# KiCad board keyboard_mk1.kicad_pcb (continued)
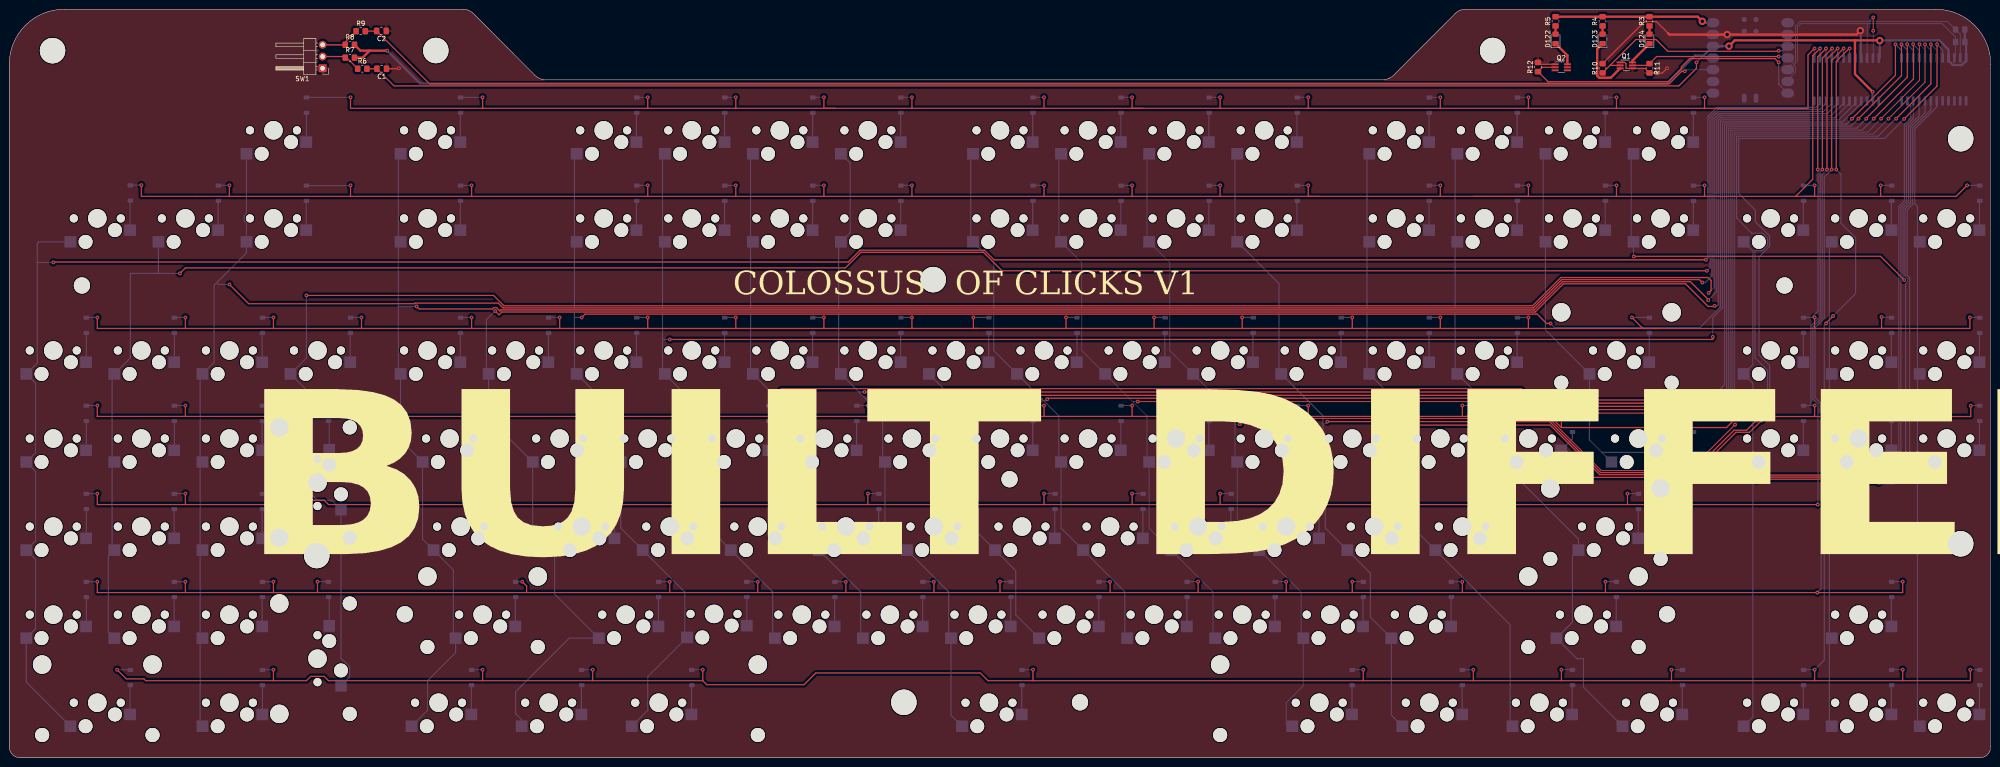
[diagram p0: board, top side]
## Routing (per net, layer and track width the routed paths; a pad name or vN(x,y) marks a point on that pad's centre or on a via; arc(x,y) is an arc through that point) (continued)
ROW6: length 607.6
  Top w0.25: 316.71,16.67 335.76,16.67 ; 316.71,16.67 292.89,16.67 ; 316.71,16.67 v1(316.71,19.05) ; 335.76,16.67 v1(335.76,19.05) ; 335.76,16.67 359.57,16.67 ; v1(424.21,19.05) 424.21,16.67 409.57,16.67 ; v1(221.46,19.05) 221.46,16.67 ; 221.46,16.67 292.89,16.67 ; 221.46,16.67 211.7,16.67 210.03,18.35 174.47,18.35 171.93,15.81 150.88,15.81 150.02,16.67 ; 292.89,16.67 v1(292.89,19.05) ; v1(150.02,19.05) 150.02,16.67 ; 150.02,16.67 126.21,16.67 ; v1(395.21,127.25) 395.21,150.65 398.01,153.45 v1(398.11,153.45) ; 57.15,16.67 64.29,16.67 65.23,17.6 68.12,17.6 69.06,16.67 102.39,16.67 ; 57.15,16.67 v1(57.15,19.05) ; 57.15,16.67 29.53,16.67 29.12,17.08 25.31,17.08 v1(23.34,19.05) ; v1(393,93.95) 393,94.04 v1(394.51,95.55) ; v1(409.57,19.05) 409.57,16.67 ; 409.57,16.67 390.52,16.67 ; 359.57,16.67 390.52,16.67 ; 359.57,16.67 v1(359.57,19.05) ; 390.52,16.67 v1(390.52,19.05) ; 126.21,16.67 v1(126.21,19.05) ; 126.21,16.67 102.39,16.67 ; 102.39,16.67 v1(102.39,19.05)
  Bottom w0.25: 147.64,19.05 v1(150.02,19.05) ; U3.19 398.07,153.41 v1(398.11,153.45) ; 290.51,19.05 v1(292.89,19.05) ; 388.14,19.05 v1(390.52,19.05) 392.61,21.13 392.61,93.56 v1(393,93.95) ; 407.19,19.05 v1(409.57,19.05) ; 54.77,19.05 v1(57.15,19.05) ; 219.07,19.05 v1(221.46,19.05) ; 314.32,19.05 v1(316.71,19.05) ; 100.01,19.05 v1(102.39,19.05) ; v1(395.21,127.25) 396.22,126.24 396.22,115.64 399.38,112.47 399.38,100.43 v1(394.51,95.55) ; 26.19,19.05 v1(23.34,19.05) ; 426.24,19.05 v1(424.21,19.05) ; 361.95,19.05 v1(359.57,19.05) ; 338.14,19.05 v1(335.76,19.05) ; 123.82,19.05 v1(126.21,19.05)
Net-(D1-A): length 6.4
  Bottom w0.25: D1.2 26.13,120.47 K1.1
Net-(D2-A): length 6.4
  Bottom w0.25: D2.2 45.18,120.42 K2.1
Net-(D3-A): length 6.3
  Bottom w0.25: K4.1 64.29,133.25 64.29,139.47
Net-(D4-A): length 6.4
  Bottom w0.25: D4.2 64.23,120.42 K3.1
Net-(D5-A): length 6.3
  Bottom w0.25: K22.1 16.67,85.62 16.67,91.85
Net-(D6-A): length 6.3
  Bottom w0.25: K43.1 16.67,66.58 16.67,72.8
Net-(D7-A): length 6.3
  Bottom w0.25: K64.1 16.67,47.52 16.67,53.75
Net-(D8-A): length 6.3
  Bottom w0.25: 16.67,34.7 16.67,28.47 K85.1
Net-(D9-A): length 6.3
  Bottom w0.25: 2K106.1 26.13,15.59 26.19,15.65
Net-(D10-A): length 6.3
  Bottom w0.25: 35.72,34.7 35.66,34.64 K86.1
Net-(D11-A): length 6.3
  Bottom w0.25: 35.72,53.75 35.66,53.69 K65.1
Net-(D12-A): length 6.3
  Bottom w0.25: K44.1 35.72,66.58 35.72,72.8
Net-(D13-A): length 6.4
  Bottom w0.25: D13.2 35.72,85.62 K23.1
Net-(D14-A): length 6.3
  Bottom w0.25: 54.77,91.85 54.71,91.79 K24.1
Net-(D15-A): length 6.3
  Bottom w0.25: K45.1 54.71,72.74 54.77,72.8
Net-(D16-A): length 6.3
  Bottom w0.25: 54.77,53.75 54.71,53.69 K66.1
Net-(D17-A): length 6.3
  Bottom w0.25: K87.1 54.71,34.64 54.77,34.7
Net-(D18-A): length 6.3
  Bottom w0.25: K108.1 54.77,9.43 54.77,15.65
Net-(D19-A): length 6.2
  Bottom w0.25: 2K88.1 69.21,34.54 69.06,34.7
Net-(D20-A): length 6.2
  Bottom w0.25: 69.06,72.8 69.21,72.64 2K46.1
Net-(D21-A): length 6.3
  Bottom w0.25: K25.1 73.76,91.79 73.82,91.85
Net-(D22-A): length 6.4
  Bottom w0.25: D22.2 97.57,139.47 K67.1
Net-(D23-A): length 6.3
  Bottom w0.25: K107.1 97.57,120.37 97.63,120.42
Net-(D24-A): length 6.3
  Bottom w0.25: K47.1 97.57,91.79 97.63,91.85
Net-(D25-A): length 6.3
  Bottom w0.25: 102.39,72.8 102.33,72.74 15K68.1
Net-(D26-A): length 6.3
  Bottom w0.25: 175K89.1 104.72,53.69 104.77,53.75
Net-(D27-A): length 6.3
  Bottom w0.25: 225K110.1 109.48,34.64 109.54,34.7
Net-(D28-A): length 6.3
  Bottom w0.25: 125K82.1 99.95,15.59 100.01,15.65
Net-(D29-A): length 6.3
  Bottom w0.25: K5.1 135.67,139.42 135.73,139.47
Net-(D30-A): length 6.3
  Bottom w0.25: 135.73,120.42 135.67,120.37 K26.1
Net-(D31-A): length 6.3
  Bottom w0.25: K48.1 116.62,91.79 116.68,91.85
Net-(D32-A): length 6.3
  Bottom w0.25: K69.1 126.15,72.74 126.21,72.8
Net-(D33-A): length 6.3
  Bottom w0.25: 130.97,53.75 130.91,53.69 K90.1
Net-(D34-A): length 6.3
  Bottom w0.25: 140.49,34.7 140.43,34.64 K111.1
Net-(D35-A): length 6.3
  Bottom w0.25: 123.82,15.65 123.77,15.59 125K83.1
Net-(D36-A): length 6.3
  Bottom w0.25: 147.64,15.65 147.58,15.59 125K84.1
Net-(D37-A): length 6.1
  Bottom w0.25: K112.1 159.54,34.7
Net-(D38-A): length 6.3
  Bottom w0.25: K91.1 149.96,53.69 150.02,53.75
Net-(D39-A): length 6.3
  Bottom w0.25: K70.1 145.2,72.74 145.26,72.8
Net-(D40-A): length 6.3
  Bottom w0.25: 135.73,91.85 135.67,91.79 K49.1
Net-(D41-A): length 6.3
  Bottom w0.25: K27.1 154.72,120.37 154.78,120.42
Net-(D42-A): length 6.3
  Bottom w0.25: K6.1 154.72,139.42 154.78,139.47
Net-(D43-A): length 6.3
  Bottom w0.25: K7.1 173.77,139.42 173.83,139.47
Net-(D44-A): length 6.3
  Bottom w0.25: 173.83,120.42 173.77,120.37 K28.1
Net-(D45-A): length 6.3
  Bottom w0.25: K50.1 154.72,91.79 154.78,91.85
Net-(D46-A): length 6.3
  Bottom w0.25: K71.1 164.25,72.74 164.31,72.8
Net-(D47-A): length 6.3
  Bottom w0.25: 169.07,53.75 169.01,53.69 K92.1
Net-(D48-A): length 6.3
  Bottom w0.25: 178.59,34.7 178.53,34.64 K113.1
Net-(D49-A): length 6.3
  Bottom w0.25: K114.1 197.58,34.64 197.64,34.7
Net-(D50-A): length 6.3
  Bottom w0.25: 188.12,53.75 188.06,53.69 K93.1
Net-(D51-A): length 6.3
  Bottom w0.25: K72.1 183.3,72.74 183.36,72.8
Net-(D52-A): length 6.3
  Bottom w0.25: K51.1 173.77,91.79 173.83,91.85
Net-(D53-A): length 6.3
  Bottom w0.25: K29.1 192.82,120.37 192.88,120.42
Net-(D54-A): length 6.3
  Bottom w0.25: 192.88,139.47 192.82,139.42 K8.1
Net-(D55-A): length 6.3
  Bottom w0.25: K9.1 221.4,139.42 221.46,139.47
Net-(D56-A): length 6.3
  Bottom w0.25: K30.1 221.4,120.37 221.46,120.42
Net-(D57-A): length 6.3
  Bottom w0.25: 192.88,91.85 192.82,91.79 K52.1
Net-(D58-A): length 6.3
  Bottom w0.25: 202.41,72.8 202.35,72.74 K73.1
Net-(D59-A): length 6.3
  Bottom w0.25: K94.1 207.11,53.69 207.17,53.75
Net-(D60-A): length 6.3
  Bottom w0.25: 216.69,34.7 216.63,34.64 K115.1
Net-(D61-A): length 6.3
  Bottom w0.25: 219.07,15.65 219.02,15.59 625K109.1
Net-(D62-A): length 6.3
  Bottom w0.25: 235.74,34.7 235.68,34.64 K116.1
Net-(D63-A): length 6.3
  Bottom w0.25: K95.1 226.16,53.69 226.22,53.75
Net-(D64-A): length 6.3
  Bottom w0.25: 221.46,72.8 221.4,72.74 K74.1
Net-(D65-A): length 6.3
  Bottom w0.25: K53.1 211.87,91.79 211.93,91.85
Net-(D66-A): length 6.3
  Bottom w0.25: K10.1 240.45,139.42 240.51,139.47
Net-(D67-A): length 6.3
  Bottom w0.25: 240.51,120.42 240.45,120.37 K31.1
Net-(D68-A): length 6.3
  Bottom w0.25: 230.98,91.85 230.98,85.62 K54.1
Net-(D69-A): length 6.3
  Bottom w0.25: 240.51,72.8 240.45,72.74 K75.1
Net-(D70-A): length 6.3
  Bottom w0.25: K96.1 245.21,53.69 245.27,53.75
Net-(D71-A): length 6.3
  Bottom w0.25: 254.79,34.7 254.74,34.64 K117.1
Net-(D72-A): length 6.3
  Bottom w0.25: K118.1 273.78,34.64 273.84,34.7
Net-(D73-A): length 6.3
  Bottom w0.25: 264.32,53.75 264.26,53.69 K97.1
Net-(D74-A): length 6.3
  Bottom w0.25: K76.1 259.5,72.74 259.56,72.8
Net-(D75-A): length 6.3
  Bottom w0.25: 250.03,91.85 249.97,91.79 K55.1
Net-(D76-A): length 6.3
  Bottom w0.25: K32.1 259.5,120.37 259.56,120.42
Net-(D77-A): length 6.3
  Bottom w0.25: 259.56,139.47 259.5,139.42 K11.1
Net-(D78-A): length 6.3
  Bottom w0.25: 278.61,139.47 278.55,139.42 K12.1
Net-(D79-A): length 6.3
  Bottom w0.25: 278.61,120.42 278.55,120.37 K33.1
Net-(D80-A): length 6.3
  Bottom w0.25: K56.1 269.02,91.79 269.08,91.85
Net-(D81-A): length 6.3
  Bottom w0.25: K77.1 278.55,72.74 278.61,72.8
Net-(D82-A): length 6.3
  Bottom w0.25: 283.37,53.75 283.31,53.69 K98.1
Net-(D83-A): length 6.3
  Bottom w0.25: 292.89,34.7 292.83,34.64 K119.1
Net-(D84-A): length 6.3
  Bottom w0.25: 290.51,15.65 290.45,15.59 125K102.1
Net-(D85-A): length 6.3
  Bottom w0.25: 125K103.1 314.27,15.59 314.32,15.65
Net-(D86-A): length 6.3
  Bottom w0.25: 311.94,34.7 311.88,34.64 K120.1
Net-(D87-A): length 6.3
  Bottom w0.25: K99.1 302.36,53.69 302.42,53.75
Net-(D88-A): length 6.3
  Bottom w0.25: K78.1 297.6,72.74 297.66,72.8
Net-(D89-A): length 6.3
  Bottom w0.25: 288.13,91.85 288.07,91.79 K57.1
Net-(D90-A): length 6.3
  Bottom w0.25: 307.18,120.42 307.12,120.37 K34.1
Net-(D91-A): length 6.3
  Bottom w0.25: K13.1 307.12,139.42 307.18,139.47
Net-(D92-A): length 6.3
  Bottom w0.25: K14.1 326.17,139.42 326.23,139.47
Net-(D93-A): length 6.3
  Bottom w0.25: 326.23,120.42 326.17,120.37 K35.1
Net-(D94-A): length 6.3
  Bottom w0.25: 307.18,91.85 307.12,91.79 K58.1
Net-(D95-A): length 6.3
  Bottom w0.25: K79.1 316.65,72.74 316.71,72.8
Net-(D96-A): length 6.3
  Bottom w0.25: 321.47,53.75 321.41,53.69 K100.1
Net-(D97-A): length 6.3
  Bottom w0.25: 125K104.1 338.08,15.59 338.14,15.65
Net-(D98-A): length 6.3
  Bottom w0.25: 347.66,34.7 347.6,34.64 275K121.1
Net-(D99-A): length 6.3
  Bottom w0.25: 352.42,53.75 352.37,53.69 225K101.1
Net-(D100-A): length 6.3
  Bottom w0.25: 125K105.1 361.89,15.59 361.95,15.65
Net-(D101-A): length 4.9
  Bottom w0.25: 338.14,70.42 338.14,68.96 K80.1
Net-(D102-A): length 6.3
  Bottom w0.25: 326.23,91.85 326.17,91.79 K59.1
Net-(D103-A): length 6.3
  Bottom w0.25: K36.1 345.22,120.37 345.28,120.42
Net-(D104-A): length 6.3
  Bottom w0.25: 345.28,139.47 345.22,139.42 K15.1
Net-(D105-A): length 6.3
  Bottom w0.25: K16.1 364.27,139.42 364.33,139.47
Net-(D106-A): length 6.3
  Bottom w0.25: 364.33,120.42 364.27,120.37 K37.1
Net-(D107-A): length 6.3
  Bottom w0.25: 354.81,91.85 354.75,91.79 2K60.1
Net-(D108-A): length 6.4
  Bottom w0.25: 364.33,70.42 360.43,66.52 15K81.1
Net-(D109-A): length 6.3
  Bottom w0.25: 388.14,15.65 388.08,15.59 K61.1
Net-(D110-A): length 6.3
  Bottom w0.25: K20.1 388.08,72.74 388.14,72.8
Net-(D111-A): length 6.3
  Bottom w0.25: 388.14,91.85 388.08,91.79 K38.1
Net-(D112-A): length 6.3
  Bottom w0.25: K17.1 388.08,120.37 388.14,120.42
Net-(D113-A): length 6.3
  Bottom w0.25: K18.1 407.13,120.37 407.19,120.42
Net-(D114-A): length 6.3
  Bottom w0.25: K39.1 407.13,91.79 407.19,91.85
Net-(D115-A): length 6.3
  Bottom w0.25: 407.19,72.8 407.13,72.74 K21.1
Net-(D116-A): length 6.3
  Bottom w0.25: K41.1 407.13,34.64 407.19,34.7
Net-(D117-A): length 6.3
  Bottom w0.25: K62.1 407.13,15.59 407.19,15.65
Net-(D118-A): length 6.3
  Bottom w0.25: K63.1 426.18,15.59 426.24,15.65
Net-(D119-A): length 6.3
  Bottom w0.25: K42.1 426.18,72.74 426.24,72.8
Net-(D120-A): length 6.3
  Bottom w0.25: 426.24,91.85 426.18,91.79 K40.1
Net-(D121-A): length 6.3
  Bottom w0.25: K19.1 426.18,120.37 426.24,120.42
Net-(D122-A): length 1.8
  Top w0.5: R5.1 D122.2
Net-(D122-K): length 5.5
  Top w0.5: D122.1 337.05,151.92 Q2.6
Net-(D123-A): length 1.8
  Top w0.5: R4.1 D123.2
Net-(D123-K): length 13.4
  Top w0.5: Q1.3 346.44,147.11 343.91,147.11 343.5,147.52 343.5,153.33 D123.1
Net-(D124-A): length 1.8
  Top w0.5: R3.1 D124.2
Net-(D124-K): length 5.6
  Top w0.5: D124.1 351.12,150.79 Q1.6
Net-(R6-Pad1): length 8.7
  Top w0.25: R6.1 72.98,151.44 R7.1 72.43,151.7 SW1.B
Net-(R8-Pad1): length 8.8
  Top w0.25: SW1.A R8.1 72.68,154.83 R9.1

## Copper pours and planes (outline as drawn; the poured copper is in the pictures)
GND on Top, Bottom: 428.47,161.86 428.47,-0.7 -0.79,-0.7 -0.79,161.86

## Text on the board
B.Silkscreen: JLCJLCJLCJLC
F.Silkscreen: BUILT DIFFERENT | COLOSSUS 	OF CLICKS V1
